# Altium PCB DAC_Sources.PcbDoc (part 2 of 8) (continued)
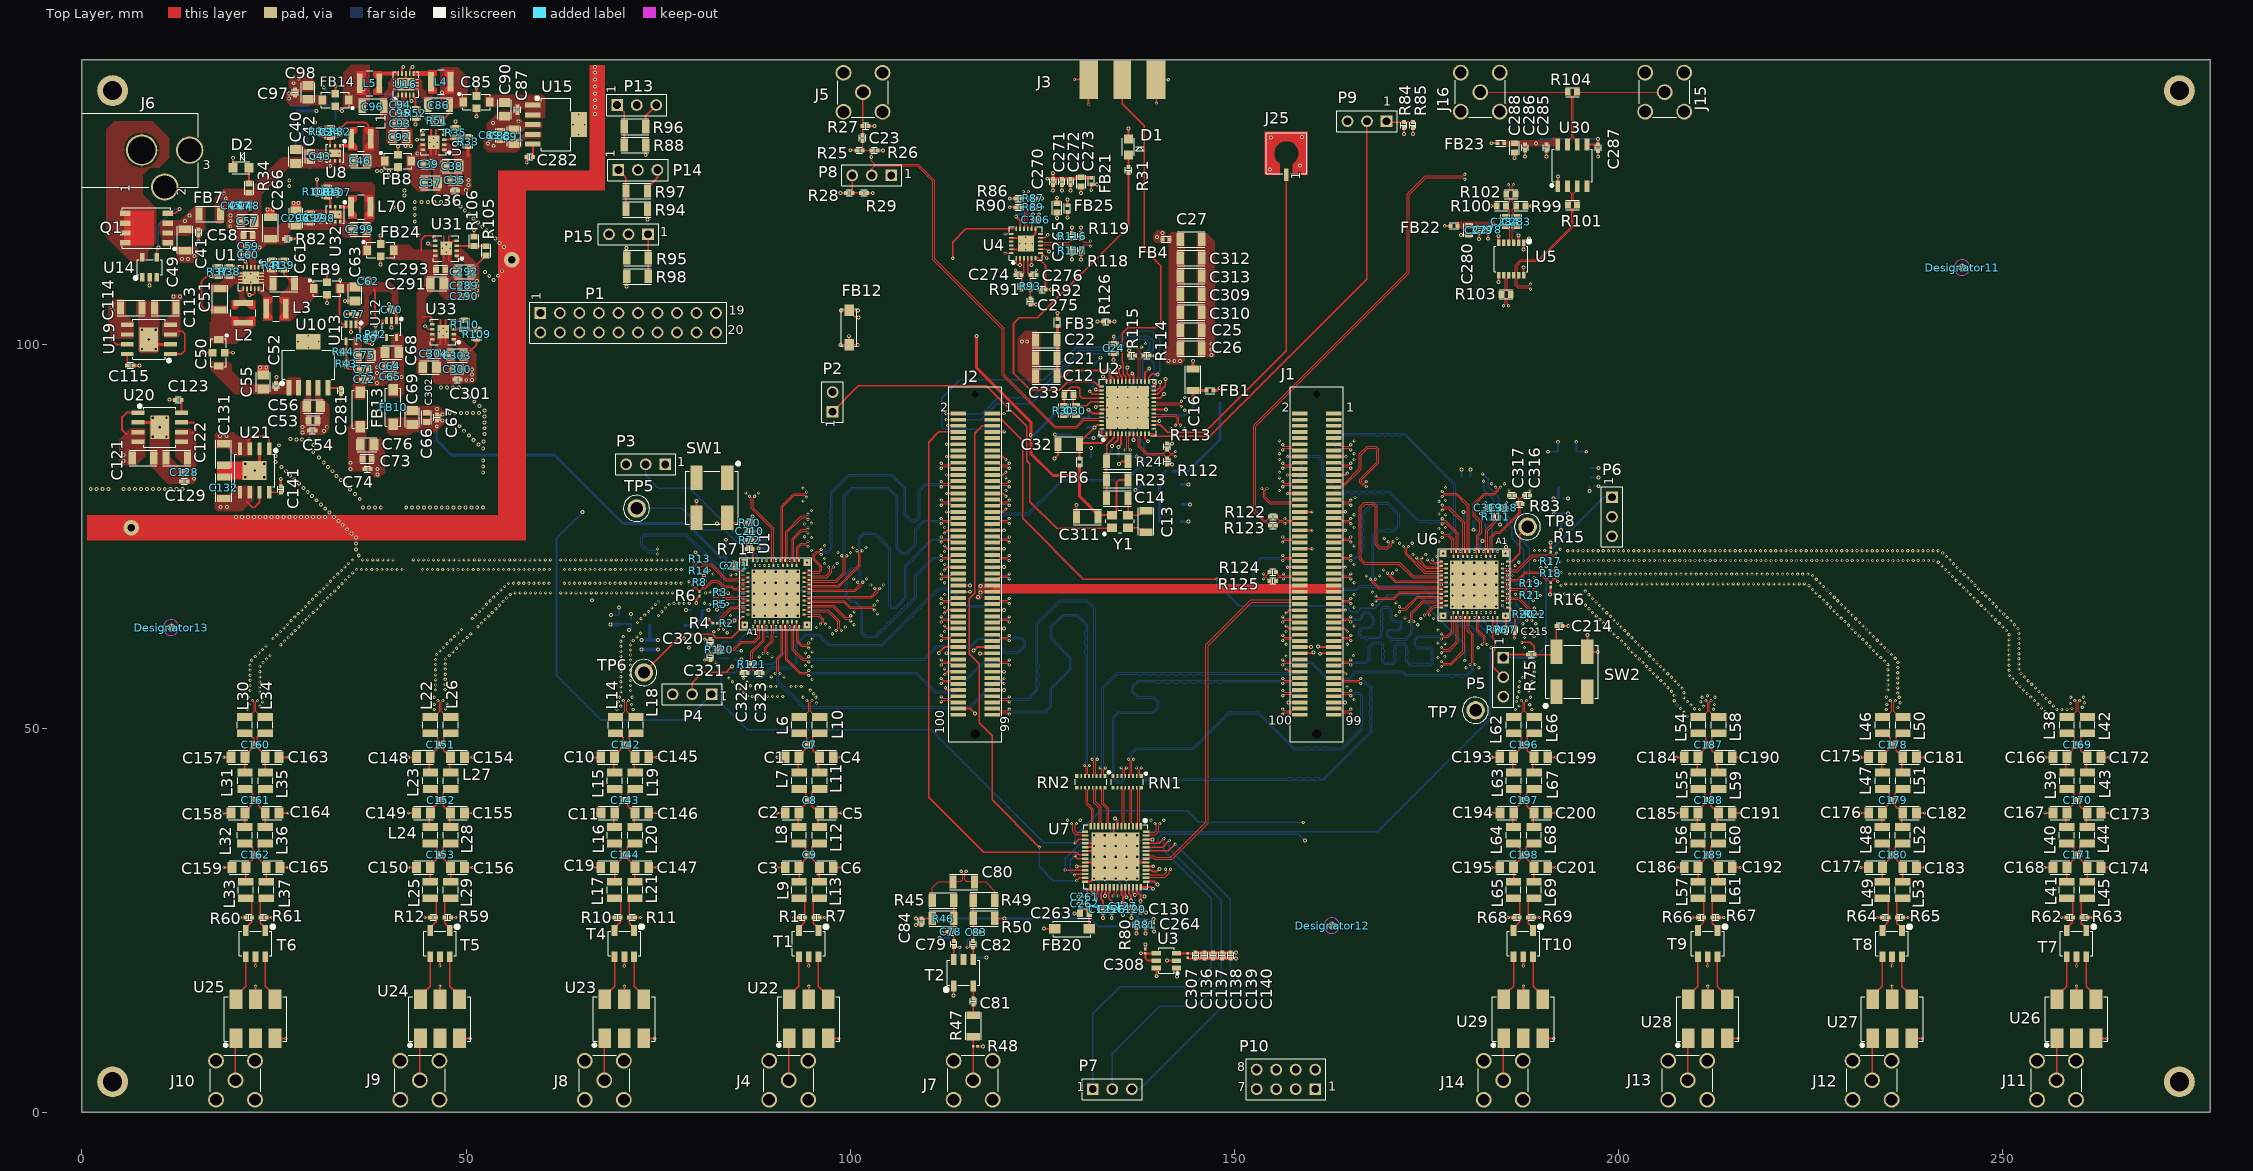
[diagram p0: Top Layer view]
## Part data (continued)
R23 R24: library part 1029c3af85768c4190bb7ad29bc67b5, "10kΩ ±1% 0.5W 1206 High Power Anti-Sulfur Thin Film Chip Resistor", Case Code (Imperial)=1206, Case Code (Metric)=3216, Max Operating Temperature=155°C, Max Power Dissipation=500mW, Min Operating Temperature=-55°C, Resistance=10kR, Resistor Type="Thin Film", Temperature Coefficient=100ppm/°C, Tolerance=1%, Case/Package=1206, Features="Moisture Resistant", Height=0.024inch, Length=0.122inch, Mount="Surface Mount", Number of Terminations=2, Packaging="Tape and Reel", RoHS Compliant=Yes, Series=RNCP, Width=0.059inch
R25 R26 R28 R29 R33 R40 R41 R42 R43 R44 R54 R55 R56 R57 R58 R71 R76 R84 R85 R86 R87 R89 R90 R105 R109 R116 R117 R118 R119: library part RES, Manufacturer=Panasonic
  R25 R28 R84: Part Number=ERJ-2RKF82R5X
  R26 R29 R85 R86 R87 R89 R90 R116 R117 R118 R119: Part Number=ERJ-2RKF1300X
  R33 R105 R109: Part Number=ERJ-3EKF3092V
  R40 R43 R54 R57: Part Number=ERJ-2RKF1743X
  R41 R55: Part Number=ERJ-3EKF1823V
  R42 R44 R56 R58: Part Number=ERJ2RKF3303X
  R71 R76: Part Number=ERJ-2RKF1271X
R27 R91 R93: library part 8db39607336c341a927600551d01821, "RES SMD 49.9 OHM 1% 1/10W 0402", Case Code (Imperial)=0402, Case Code (Metric)=1005, Max Operating Temperature=155°C, Max Power Dissipation=100mW, Min Operating Temperature=-55°C, Package Quantity=1, Resistance=49.9R, Resistance Tolerance=1%, Resistor Type="Thick Film", Temperature Coefficient=100ppm/°C, Voltage Rating=50V, Case/Package=0402, Construction=Rectangular, Contact Plating=Tin, Depth=0.5mm, Features="Automotive AEC-Q200", Height=0.35mm, Lead Free="Lead Free", Length=1mm, Military Standard=Not, Mount="Surface Mount", Number of Terminations=2, Packaging="Tape and Reel", Power Rating=100mW, Radiation Hardening=No, RoHS Compliant=Yes, Series=ERJ, Technology="THICK FILM", Termination=SMD/SMT, Tolerance=1%, Voltage Rating (DC)=50V, Width=0.02inch, Working Voltage=50V
R30: library part 1029c3af85768c4190bb7ad29bc67b5, "RES 1K OHM 1% 1/10W 0603", Case Code (Imperial)=0603, Case Code (Metric)=1608, Max Operating Temperature=155°C, Max Power Dissipation=100mW, Min Operating Temperature=-55°C, Resistance=1kR, Resistance Tolerance=1%, Resistor Type="Thick Film", Temperature Coefficient=100ppm/°C, Voltage Rating=50V, Case/Package=0603, Construction=Rectangular, Contact Plating=Tin, Depth=0.8mm, Features="Moisture Resistant", Height=0.45mm, Lead Free="Lead Free", Length=1.6mm, Military Standard=Not, Number of Terminations=2, Packaging="Tape and Reel", Power Rating=100mW, Radiation Hardening=No, REACH SVHC="No SVHC", RoHS Compliant=Yes, Series=RC, Size Code=0603, Technology="THICK FILM", Termination=SMD/SMT, Tolerance=1%
R32 R107: library part RES, "750K 0.063W 5% 0402 (1005 Metric)  SMD", Case-EIA=0402, Case-Metric=1005, Power="0.063 W", Tolerance="5 %", Technology=SMT
R34 R35 R106 R110: library part RES-2, "Chip Resistor, 10 KOhm, +/- 1%, 0.1 W, -55 to 155 degC, 0603 (1608 Metric), RoHS, Tape and Reel", Case Code (Imperial)=0603, Case Code (Metric)=1608, Manufacturer=Panasonic, Max Operating Temperature=155degC, Max Power Dissipation=100mW, Min Operating Temperature=-55degC, Package Description="2-Pin Surface Mount Device, Body 1.6 x 0.85 mm", Package Quantity=1, Package Reference=603, Resistance=10KOhm, Temperature Coefficient=100ppm\/degreesC, Tolerance=1%, Voltage Rating=75V, Case\/Package=0603, Composition=ThickFilm, Contact Plating=Tin, Datasheet URL=https://industrial.panasonic.com/cdbs/www-data/pdf/RDA0000/AOA0000C304.pdf, Datasheet Version=02/2017, Depth=0.8mm, Height=0.45mm, Lead Free=LeadFree, Length=1.6mm, Manufacturer URL=http://www.panasonic.com/, Military Standard=Not, Mount=SurfaceMount, Mounting Technology=SurfaceMount, Number of Pins=2, Number of Terminations=2, Packaging=TapeandReel, Power Rating=100mW, Radiation Hardening=No, REACH SVHC=NoSVHC, RoHSCompliant=true, Termination=SMD/SMT, Voltage Rating (DC)=75V, Width=0.031inch
R36 R108: library part 1029c3af85768c4190bb7ad29bc67b5, "RES 150K OHM 1% 1/16W 0402", Case Code (Imperial)=0402, Case Code (Metric)=1005, Max Operating Temperature=155°C, Max Power Dissipation=63mW, Min Operating Temperature=-55°C, Package Quantity=1, Resistance=150kR, Resistance Tolerance=1%, Resistor Type="Thick Film", Temperature Coefficient=100ppm/°C, Voltage Rating=50V, Case/Package=0402, Construction=Rectangular, Depth=0.5mm, Features="Moisture Resistant", Height=0.016inch, Lead Free="Lead Free", Length=1mm, Military Standard=Not, Number of Pins=2, Number of Terminations=2, Packaging="Tape and Reel", Power Rating=63mW, REACH SVHC="No SVHC", RoHS Compliant=Yes, Series=RC, Technology="THICK FILM", Termination=SMD/SMT, Tolerance=1%, Voltage Rating (DC)=50V, Width=0.5mm, Working Voltage=50V
R38 R52: library part 1029c3af85768c4190bb7ad29bc67b5, Case Code (Imperial)=0603, Case Code (Metric)=1608, Max Operating Temperature=155°C, Max Power Dissipation=100mW, Min Operating Temperature=-55°C, Resistance=150kΩ, Temperature Coefficient=100ppm/°C, Tolerance=1%, Voltage Rating=50V, Case/Package=0603, Composition="Thick Film", Depth=800µm, Features="Moisture Resistant", Height=450µm, Lead Free="Lead Free", Length=1.6mm, Military Standard=Not, Mount="Surface Mount", NexarPartId=40301068, Number of Pins=2, Number of Terminations=2, Packaging="Tape & Reel", Power Rating=100mW, REACH SVHC="No SVHC", RoHS=Compliant, Schedule B="8533210045, 8533210045", Termination=SMD/SMT, Voltage Rating (AC)=50V, Voltage Rating (DC)=50V, Width=800µm
R45 R47 R49: library part 1029c3af85768c4190bb7ad29bc67b5, "0Ω ±0 0.25W 1206 Thick Film Chip Resistor AEC-Q200 compliant", Case Code (Imperial)=1206, Case Code (Metric)=3216, Current Rating=2A, Max Operating Temperature=155°C, Max Power Dissipation=250mW, Min Operating Temperature=-55°C, Resistance=0R, Resistor Type="Thick Film", Working Voltage=200V, Case/Package=1206, Construction=Rectangular, Contact Plating=Tin, Depth=1.6mm, Features="Automotive AEC-Q200", Height=0.028inch, Lead Free="Lead Free", Length=0.126inch, Military Standard=Not, Mount="Surface Mount", Number of Terminations=2, Packaging="Tape and Reel", Power Rating=250mW, Radiation Hardening=No, RoHS Compliant=Yes, Series=RMCF, Technology="THICK FILM", Width=0.063inch
R46 R50: library part 1029c3af85768c4190bb7ad29bc67b5, "33Ω ±5% 0.25W 1206 Thick Film Chip Resistor AEC-Q200 compliant", Case Code (Imperial)=1206, Case Code (Metric)=3216, Max Operating Temperature=155°C, Max Power Dissipation=250mW, Min Operating Temperature=-55°C, Resistance=33R, Resistor Type="Thick Film", Temperature Coefficient=200ppm/°C, Tolerance=5%, Case/Package=1206, Construction=Rectangular, Contact Plating=Tin, Depth=1.6mm, Features="Automotive AEC-Q200", Height=0.028inch, Length=0.126inch, Military Standard=Not, Mount="Surface Mount", Number of Terminations=2, Packaging="Tape and Reel", Radiation Hardening=No, RoHS Compliant=Yes, Series=RMCF, Width=0.063inch
R70 R73 R75 R78: library part RES-2, "Chip Resistor, 1 KOhm, +/- 1%, 100 mW, -55 to 155 degC, 0402 (1005 Metric), RoHS, Tape and Reel", Case Code (Imperial)=0402, Case Code (Metric)=1005, Manufacturer="Basic Passives", Max Operating Temperature="155 degC", Min Operating Temperature="-55 degC", Package Quantity=10000, Power Rating="100 mW", Resistance="1 KOhm", Tolerance=1%, Voltage Rating="50 V", Case\/Package=0402, ComponentLink1Description="Manufacturer URL", ComponentLink1URL=http://www.panasonic.com/, ComponentLink2Description=Datasheet, ComponentLink2URL=http://industrial.panasonic.com/cdbs/www-data/pdf/RDA0000/AOA0000C86.pdf, DatasheetVersion=04/2015, Height="0.35 mm", Length="1 mm", Mount="Surface Mount", Mounting Technology="Surface Mount", PackageDescription="2-Pin Surface Mount Device, Body 1 x 0.5 mm", PackageReference=0402, Packaging="Tape and Reel", PartNumber=ERJ-2RKF1001X, Pins=2, Radiation Hardening=No, REACH SVHC=Yes, RoHSCompliant=true, Width="0.5 mm"
R74 R79 R82 R92 R122 R123 R124 R125 R126: library part RES-2, "Chip Resistor, 0 Ohm, 0.1 W, -55 to 155 degC, 0402 (1005 Metric), RoHS, Tape and Reel", Case Code (Imperial)=0402, Case Code (Metric)=1005, Manufacturer=Panasonic, Max Operating Temperature=155degC, Max Power Dissipation=100mW, Min Operating Temperature=-55degC, Package Description="2-Pin Surface Mount Device, Body 1 x 0.5 mm", Package Quantity=1, Package Reference=402, Resistance=0mOhm, Temperature Coefficient=600ppm/��C, Tolerance=5%, Voltage Rating=50V, Case/Package=0402, Composition=ThickFilm, Contact Plating=Tin, Datasheet URL=https://industrial.panasonic.com/cdbs/www-data/pdf/RDA0000/AOA0000C301.pdf, Datasheet Version=03/2015, Depth=0.5mm, Height=0.35mm, Lead Free=LeadFree, Length=1mm, Manufacturer URL=http://www.panasonic.com/, Military Standard=Not, Mount=SurfaceMount, Mounting Technology=SurfaceMount, Number of Terminations=2, Packaging=TapeandReel, Power Rating=100mW, Radiation Hardening=No, REACH SVHC=NoSVHC, RoHSCompliant=True, Termination=SMD/SMT, Voltage Rating (DC)=50V, Width=0.02inch
R83 R111 R120 R121: library part CMP-1011-00397-3, "RES Thick Film, 100Ω, 1%, 0.063W, 100ppm/°C, 0402", Case Code (Imperial)=0402, Case Code (Metric)=1005, Max Operating Temperature=155°C, Max Power Dissipation=63mW, Min Operating Temperature=-55°C, Package Quantity=10, Resistance=100R, Temperature Coefficient=100ppm/°C, Tolerance=1%, Voltage Rating=50V, Case/Package=0402, Composition="Thick Film", Contact Plating=Tin, Depth=0.5mm, Features="Automotive AEC-Q200", Height=0.35mm, Lead Free="Lead Free", Length=1mm, Military Standard=Not, Mount="Surface Mount", Number of Terminations=2, Packaging="Tape and Reel", Power Rating=63mW, Radiation Hardening=No, Termination=SMD/SMT, Voltage Rating (DC)=50V, Weight=2.3E-05oz, Width=0.02inch, Working Voltage=50V
R88 R94 R95 R96 R97 R98: library part RES, Manufacturer=Yageo, Part Number=RC1206FR-0760K4L
R101 R102 R103 R104: library part 1029c3af85768c4190bb7ad29bc67b5, "RES Thick Film, 100Ω, 5%, 0.1W, 200ppm/°C, 0603", Case Code (Imperial)=0603, Case Code (Metric)=1608, Max Operating Temperature=155°C, Max Power Dissipation=100mW, Min Operating Temperature=-55°C, Package Quantity=1, Resistance=100R, Temperature Coefficient=200ppm/°C, Tolerance=5%, Voltage Rating=75V, Case/Package=0603, Composition="Thick Film", Contact Plating=Tin, Depth=0.85mm, Features="Automotive AEC-Q200", Height=0.02inch, Length=1.55mm, Military Standard=Not, Number of Terminations=2, Packaging="Tape and Reel", Power Rating=100mW, Radiation Hardening=No, Termination=SMD/SMT, Weight=7.1E-05oz, Width=0.85mm
R112 R113: library part CMP-1011-00415-3, "RES SMD 150 OHM 1% 1/10W 0402", Case Code (Imperial)=0402, Case Code (Metric)=1005, Max Operating Temperature=155°C, Max Power Dissipation=100mW, Min Operating Temperature=-55°C, Package Quantity=1, Resistance=150R, Resistance Tolerance=1%, Resistor Type="Thick Film", Temperature Coefficient=100ppm/°C, Voltage Rating=50V, Case/Package=0402, Construction=Rectangular, Contact Plating=Tin, Depth=0.5mm, Features="Automotive AEC-Q200", Height=0.35mm, Lead Free="Lead Free", Length=1mm, Military Standard=Not, Mount="Surface Mount", Number of Pins=2, Number of Terminations=2, Packaging="Tape and Reel", Power Rating=100mW, Radiation Hardening=No, REACH SVHC="No SVHC", RoHS Compliant=Yes, Series=ERJ, Size Code=0402, Technology="THICK FILM", Termination=SMD/SMT, Tolerance=1%, Voltage Rating (DC)=50V, Width=0.02inch
R114 R115: library part 1029c3af85768c4190bb7ad29bc67b5, "RES SMD 150 OHM 1% 1/10W 0402", Case Code (Imperial)=0402, Case Code (Metric)=1005, Max Operating Temperature=155°C, Max Power Dissipation=100mW, Min Operating Temperature=-55°C, Package Quantity=1, Resistance=150R, Resistance Tolerance=1%, Resistor Type="Thick Film", Temperature Coefficient=100ppm/°C, Voltage Rating=50V, Case/Package=0402, Construction=Rectangular, Contact Plating=Tin, Depth=0.5mm, Features="Automotive AEC-Q200", Height=0.35mm, Lead Free="Lead Free", Length=1mm, Military Standard=Not, Mount="Surface Mount", Number of Pins=2, Number of Terminations=2, Packaging="Tape and Reel", Power Rating=100mW, Radiation Hardening=No, REACH SVHC="No SVHC", RoHS Compliant=Yes, Series=ERJ, Size Code=0402, Technology="THICK FILM", Termination=SMD/SMT, Tolerance=1%, Voltage Rating (DC)=50V, Width=0.02inch
SW1 SW2: library part a6a22157dac91622554311b1edc5dcf, "SWITCH TACTILE SPST-NO 1VA 32V", Contact Resistance=50mΩ, Manufacturer="C&K Components", Operating Force=300gf, Package=0, Temperature="-40°C to +90°C", Temperature Range High=+90°C, Temperature Range Low=-40°C, Voltage Rating Ac=32V, Automotive=No, Category=Switch, ComponentLink2Description=Datasheet, ComponentLink2URL=https://dznh3ojzb2azq.cloudfront.net/products/Tactile/KT/documents/datasheet.pdf, Device Class L1=Electromechanical, Device Class L2=Switches, Device Class L3="Tactile Switches", Digikey Description="SWITCH TACTILE SPST-NO 1VA 32V", Electromechanical Life=100000Cycles, Height=4.1mm, Lead Free=Yes, Manufacturer Part Number=KT11P3JM34LFS, Mount="Surface Mount", Mouser Description="Tactile Switches 1.12Mm Silvr J-Lead", Octopart=https://octopart.com/kt11p3jm34lfs-c%26k+components-55425764, RoHS=TRUE, Standoff Height=0.14mm, Throw Configuration=SPST-NO, Voltage Rating Dc=32V
T1 T2 T3 T4 T5 T6 T7 T8 T9 T10: library part 4f5dfae470883114705f86a4213dd5e, "BALUN 4.5MHZ-3GHZ 1:1 5SMD", Frequency=4.5-3000MHz, Manufacturer=MA-COM, Temperature="-55°C to +85°C", Temperature Range High=+85°C, Temperature Range Low=-55°C, Automotive=No, Bandwidth=2995.5MHz, Category=Trans, ComponentLink2Description=Datasheet, ComponentLink2URL=http://cdn.macom.com/datasheets/ETC1-1-13.pdf, Device Class L1="Passive Components", Device Class L2="EMI / RFI Components", Device Class L3=RF, Digikey Description="BALUN 4.5MHZ-3GHZ 1:1 5SMD", Height=2.95mm, Insertion Loss=3.5dB, Lead Free=Yes, Manufacturer Part Number=ETC1-1-13TR, Mouser Description="RF Transformer 1: 1 5 Terminal SMD", Octopart=https://octopart.com/etc1-1-13tr-ma-com-7863633, Package=ETC1-1-13TR, RoHS=TRUE
TP5 TP6 TP7 TP8: library part TESTPOINT_RED, "Test Point, Red, Through Hole, RoHS, Bulk", Colour=Red, Manufacturer=Keystone, Package Quantity=100, ComponentLink1Description="Manufacturer URL", ComponentLink1URL=http://www.keyelco.com/, ComponentLink2Description=Datasheet, ComponentLink2URL=http://www.keyelco.com/product-pdf.cfm?p=1319, Contact Material=Bronze, Contact Plating=Silver, DatasheetVersion="Rev. F, 12/2013", Height="8.12 mm", Mount="Through Hole", Mounting Technology="Through Hole", PackageDescription="1-Pin Through Hole Device, Dia 3.17 mm", PackageReference=5010, Packaging=Bulk, Pins=1, REACH SVHC="No SVHC", RoHSCompliant=true
U1 U6: library part TI-DAC348XRKD88-6300X6300TP, "4-Channel 16-Bit 1.25 GSPS DAC, -40 to 85 degC, 88-pin QFN (RKD88), Green (RoHS & no Sb/Br)", Manufacturer="Texas Instruments", Power Consumption(Typ)(mW)=1270, ComponentLink1Description="Manufacturer URL", ComponentLink1URL=http://www.ti.com/, ComponentLink2Description=Datasheet, ComponentLink2URL=http://www.ti.com/general/docs/lit/getliterature.tsp?genericPartNumber=DAC3484&fileType=pdf, ComponentLink3Description="Package Specification", ComponentLink3URL=http://www.ti.com/litv/pdf/mpqf242, DAC Channels=4, DatasheetVersion=SLAS749C, Eco-Plan="Green (RoHS & no Sb/Br)", Interface="Parallel LVDS", Mounting Technology="Surface Mount", PackageDescription="88-Pin Plastic Quad Flatpack No-Lead, Body 9 x 9 mm, Pitch 0.6 mm", PackageReference=RKD88-6300X6300TP, PackageVersion="4210251/A, 04/2009", PartNumber=DAC3484IRKDT, Resolution(Bits)=16, Settling Time(us)=0.01, SFDR(dB)=82, SubFamily="High Speed DAC (>10MSPS)"
U2: library part 79e6de338fe35b6fdc3d186d6aa1691, "IC CLK SYNTH/JITTER CLEANR 48QFN", Case/Package=VQFN, Frequency=1.175GHz, Input Current=20mA, Max Frequency=1.5GHz, Max Operating Temperature=85°C, Max Power Dissipation=1.7W, Max Supply Voltage=3.6V, Min Operating Temperature=-40°C, Min Supply Voltage=3V, Operating Supply Voltage=3.3V, Package Quantity=1, Contact Plating=Gold, Height=0.8mm, Input=Crystal, Interface=SPI, Lead Free="Lead Free", Length=6.85mm, Mount="Surface Mount", Nominal Supply Current=20mA, Number of Circuits=1, Number of Outputs=5, Number of Pins=48, Packaging="Tape and Reel", PLL=Yes, Radiation Hardening=No, REACH SVHC="No SVHC", RoHS Compliant=Yes, Series=CDCE62005, Supply Current=20mA, Termination=SMD/SMT, Weight=0.004868oz, Width=6.85mm
U3: library part ADI-ADR130-UJ-6, "Precision Series Sub-Band Gap Voltage Reference, 1 V Output, 2 to 18 V Supply, Industrial, 6-pin SOT23 (UJ-6), Reel", Manufacturer="Analog Devices", Operating Temp Range="-40 to 125 degC", Code_JEDEC=MO-193-AA, ComponentLink1Description="Manufacturer URL", ComponentLink1URL=http://www.analog.com/en/index.html, ComponentLink2Description=Datasheet, ComponentLink2URL=http://www.analog.com/static/imported-files/data_sheets/ADR130.pdf, ComponentLink3Description="Package Specification", ComponentLink3URL=http://www.analog.com/static/imported-files/packages/PKG_PDF/TSOT(UJ)/UJ_6.pdf, ComponentLink4Description="URL Link1", ComponentLink4URL="Product URL:http://www.analog.com/en/special-linear-functions/voltage-references/adr130/products/product.html", DatasheetVersion="Rev. B", Max V Supply (V)=18, Min V Supply (V)=2, Mounting Technology="Surface Mount", PackageDescription="6-Pin Thin Small Outline Transistor Package, Body 2.9 x 1.6 mm, Pitch 0.95 mm", PackageReference=UJ-6, PackageVersion=Dec-04, Packing=Reel, PartNumber=ADR130AUJZ-REEL7, Ref Out TC (ppm/C)=15, Vout="0.5V, 1V"
U4: "1:3 LVPECL clock buffer with programable divider", Package="QFN-24 Texas Instruments", Check_prices=https://www.snapeda.com/parts/CDCP1803RGET/Texas+Instruments/view-part/?ref=eda, MF="Texas Instruments", MP=CDCP1803RGET, SnapEDA_Link=https://www.snapeda.com/parts/CDCP1803RGET/Texas+Instruments/view-part/?ref=snap
U5: library part 599d8c5e20d6343fb63873f0ba23ec7, "IC CLK BUFFER DVR 1:2 12MSOP", Case/Package=MSOP, Max Operating Temperature=125°C, Max Supply Voltage=3.45V, Min Operating Temperature=-40°C, Min Supply Voltage=3.15V, Operating Supply Voltage=3.3V, Mount="Surface Mount", Number of Outputs=2, Number of Pins=12, Propagation Delay=4.4ns, Radiation Hardening=No, RoHS Compliant=Yes
U8 U32: library part e18bba32e79127f802312c6d0d2e879, "IC REG BUCK ADJUSTABLE 1A 6SON", Case/Package=SON, Max Input Voltage=6V, Max Operating Temperature=85°C, Max Output Current=1A, Min Input Voltage=2.3V, Min Operating Temperature=-40°C, Min Output Voltage=600mV, Package Quantity=1, Quiescent Current=15uA, Switching Frequency=2.25MHz, Lead Free="Lead Free", Max Output Voltage=6V, Mount="Surface Mount", Number of Outputs=1, Number of Pins=6, Operating Supply Voltage=6V, Output Current=1A, Output Type=Adjustable, Output Voltage=6V, Packaging="Tape and Reel", Radiation Hardening=No, REACH SVHC="No SVHC", RoHS Compliant=Yes, Series=-, Synchronous Rectifier=Yes, Weight=0.000342oz
U9 U31 U33: library part TI-TPS7A8X01DRB8-1750X1500TP, "Single Output LDO, 1 A, Adjustable 0.8 to 6 V Output, 2.2 to 6.5 V Input, with High-Bandwidth PSRR, 8-pin SON (DRB), -40 to 125 degC, Green (RoHS & no Sb/Br)", Manufacturer="Texas Instruments", Accuracy(%)=3, ComponentLink1Description="Manufacturer URL", ComponentLink1URL=http://www.ti.com/, ComponentLink2Description=Datasheet, ComponentLink2URL=http://www.ti.com/general/docs/lit/getliterature.tsp?genericPartNumber=TPS7A8001&fileType=pdf, ComponentLink3Description="Package Specification", ComponentLink3URL=http://www.ti.com/litv/pdf/mpds118h, DatasheetVersion=SBVS135G, Eco-Plan="Green (RoHS & no Sb/Br)", Iout(Max)(A)=1, Iq(Typ)(mA)=0.04, Mounting Technology="Surface Mount", PackageDescription="8-Pin Plastic Small Outline, Body 3 x 3 mm, Pitch 0.65 mm", PackageReference=DRB0008A, PackageVersion=4203482-2/K, PartNumber=TPS7A8001DRBR, SubFamily="Single Channel LDO", Vdo(Typ)(mV)=170, Vin(Max)(V)=6.5, Vin(Min)(V)=2.2, Vout Adj(Max)(V)=6, Vout Adj(Min)(V)=0.8
U10 U15: library part TI-TPS7XXXXXXXX, "Single Output High PSRR LDO, 1 A, Fixed 3.3 V Output, 2.7 to 5.5 V Input, 6-pin SOT-223 (DCQ), -40 to 125 degC, Green (RoHS & no Sb/Br)", Manufacturer="Texas Instruments", PartNumber=TPS79633DCQ, Accuracy(%)=2, ComponentLink1Description="Manufacturer URL", ComponentLink1URL=http://www.ti.com/, ComponentLink2Description=Datasheet, ComponentLink2URL=http://www.ti.com/general/docs/lit/getliterature.tsp?genericPartNumber=TPS79633&fileType=pdf, ComponentLink3Description="Package Specification", ComponentLink3URL=http://www.ti.com/litv/pdf/mpds098c, DatasheetVersion=SLVS351N, Eco-Plan="Green (RoHS & no Sb/Br)", Fixed Output Options(V)=3.3, Iout(Max)(A)=1, Iq(Typ)(mA)=0.26, Mounting Technology="Surface Mount", PackageDescription="6-Pin Plastic Small Outline, Body 3.5 x 6.5 mm, Pitch 1.27 mm", PackageReference=DCQ0006A, PackageVersion=4202109/D, SubFamily="Single Channel LDO", Vdo(Typ)(mV)=220, Vin(Max)(V)=5.5, Vin(Min)(V)=2.7, Vout Adj(Max)(V)=3.3, Vout Adj(Min)(V)=3.3
U11 U16: library part TI-TPS62420DRC10-2400X1650TP, "Buck Adjustable Regulator with 2.5 to 6 V Input and 0.6 to 6 V Output, -40 to 85 degC, 10-Pin SON (DRC), Green (RoHS & no Sb/Br)", Dynamic Voltage Scaling=TRUE, Manufacturer="Texas Instruments", Rating=Catalog, Switch Current Limit(Typ)(A)=1, ComponentLink1Description=Datasheet, ComponentLink1URL=http://www.ti.com/general/docs/lit/getliterature.tsp?genericPartNumber=TPS62420&fileType=pdf, ComponentLink2Description="Package Specification", ComponentLink2URL=http://www.ti.com/litv/pdf/mpds117k, ComponentLink3Description="URL Link1", ComponentLink3URL="Samples URL:http://www.ti.com/product/tps62420#samples", DatasheetVersion=SLVS676C, Duty Cycle(Max)(%)=100, Eco-Plan="Green (RoHS & no Sb/Br)", Iout2(Max)(A)=1, Iout(Max)(A)=0.6, Iq(Typ)(mA)=0.032, Mounting Technology="Surface Mount", PackageDescription="10-Pin Plastic Small Outline No-Lead, 3 x 3 x 1 mm Body, 0.5 mm Pitch, Exposed Pad", PackageReference=DRC0010J, PackageVersion="revL, Sep-2011", PartNumber=TPS62420DRCR, Regulated Outputs(#)=2, SubFamily="Step-Down Regulator", Synchronous Rectification=TRUE, Topology=Buck, Vin(Max)(V)=6, Vin(Min)(V)=2.5, Vout2(Max)(V)=6, Vout2(Min)(V)=0.6, Vout(Max)(V)=6, Vout(Min)(V)=0.6
U12 U13 U17 U18: library part TI-TPS7XX01-5, "Single Output LDO, 150 mA, Adjustable 0.9 to 6.2 V Output, 2.5 to 6.5 V Input, with High-Bandwidth PSRR, 5-pin SC70 (DCK), -40 to 125 degC, Green (RoHS & no Sb/Br)", Manufacturer="Texas Instruments", Accuracy(%)=3, Code_JEDEC=MO-203, ComponentLink1Description="Manufacturer URL", ComponentLink1URL=http://www.ti.com/, ComponentLink2Description=Datasheet, ComponentLink2URL=http://www.ti.com/general/docs/lit/getliterature.tsp?genericPartNumber=TPS71701&fileType=pdf, ComponentLink3Description="Package Specification", ComponentLink3URL=http://www.ti.com/litv/pdf/mpds025f, DatasheetVersion=SBVS068G, Eco-Plan="Green (RoHS & no Sb/Br)", Iout(Max)(A)=0.15, Iq(Typ)(mA)=0.05, Mounting Technology="Surface Mount", PackageDescription="5-Pin Plastic Small-Outline, Body 2 x 1.25 mm, Pitch 0.65 mm", PackageReference=DCK0005A, PackageVersion=4093553-3/G, PartNumber=TPS71701DCKR, SubFamily="Single Channel LDO", Vdo(Typ)(mV)=170, Vin(Max)(V)=6.5, Vin(Min)(V)=2.5, Vout Adj(Max)(V)=6.2, Vout Adj(Min)(V)=0.9
U14: "5.5-V over voltage protection controller with 100-V input transient protection 5-SOT-23 -40 to 85", Package="SOT-23-5 Texas Instruments", Availability=Good, BuyPart=https://www.snapeda.com/parts/TPS2400DBVT/Texas%20Instruments/view-part/425327/?ref=eda, DigiKey-Purchase-URL=https://snapeda.com/shop?store=DigiKey&id=425327, MF="Texas Instruments", Mouser-Purchase-URL=https://snapeda.com/shop?store=Mouser&id=425327, MP=TPS2400DBVT, Price=None, SnapEDA_Link=https://www.snapeda.com/parts/TPS2400DBVT/Texas%20Instruments/view-part/425327/?ref=snap, Texas_Instruments-Purchase-URL=https://snapeda.com/shop?store=Texas+Instruments&id=425327
U19: library part ADI-ADP1706-RD-8-2, "1 A, Low Dropout, CMOS Linear Regulator, 2.5 to 5.5 V Vin, 3.3 V Vout, Industrial, 8-pin SOIC (RD-8-2), Reel", Manufacturer="Analog Devices", Code_JEDEC=MS-012-AA, ComponentLink1Description="Manufacturer URL", ComponentLink1URL=http://www.analog.com/en/index.html, ComponentLink2Description=Datasheet, ComponentLink2URL=http://www.analog.com/static/imported-files/data_sheets/ADP1706_1707_1708.pdf, ComponentLink3Description="Package Specification", ComponentLink3URL=http://www.analog.com/static/imported-files/packages/62062404671038RD_8_2.pdf, ComponentLink4Description="URL Link1", ComponentLink4URL="Product URL:http://www.analog.com/en/ADP1706/productSearch.html", DatasheetVersion="Rev. 0", Mounting Technology="Surface Mount", PackageDescription="8-Pin Standard Small Outline Package, Body 4.9 x 3.9 mm, Pitch 1.27 mm", PackageReference=RD-8-2, PackageVersion=Jan-05, Packing=Reel, PartNumber=ADP1706ARDZ-3.3-R7
U20 U21: library part ADI-ADP1706-RD-8-2, "1 A, Low Dropout, CMOS Linear Regulator, 2.5 to 5.5 V Vin, 1.8 V Vout, Industrial, 8-pin SOIC (RD-8-2), Reel", Manufacturer="Analog Devices", Code_JEDEC=MS-012-AA, ComponentLink1Description="Manufacturer URL", ComponentLink1URL=http://www.analog.com/en/index.html, ComponentLink2Description=Datasheet, ComponentLink2URL=http://www.analog.com/static/imported-files/data_sheets/ADP1706_1707_1708.pdf, ComponentLink3Description="Package Specification", ComponentLink3URL=http://www.analog.com/static/imported-files/packages/62062404671038RD_8_2.pdf, ComponentLink4Description="URL Link1", ComponentLink4URL="Product URL:http://www.analog.com/en/ADP1706/productSearch.html", DatasheetVersion="Rev. 0", Mounting Technology="Surface Mount", PackageDescription="8-Pin Standard Small Outline Package, Body 4.9 x 3.9 mm, Pitch 1.27 mm", PackageReference=RD-8-2, PackageVersion=Jan-05, Packing=Reel, PartNumber=ADP1706ARDZ-1.8-R7
U30: library part 30cb43c013c66b9f7606d7aff426576, "IC REDRIVER LVDS 1CH 8SOIC", Case/Package=SOIC, Max Input Current=10uA, Max Input Voltage=100mV, Max Operating Temperature=85°C, Max Output Voltage=450mV, Max Power Dissipation=726mW, Max Supply Current=70mA, Max Supply Voltage=3.6V, Min Input Voltage=-100mV, Min Operating Temperature=-40°C, Min Supply Voltage=3V, Operating Supply Voltage=3.3V, Package Quantity=2500, Power Consumption=155W, Contact Plating=Tin, Data Rate=800Mbps, Height=1.45mm, Lead Free="Lead Free", Length=4.9mm, Logic Function=Buffer, Mount="Surface Mount", Number of Channels=1, Number of Drivers=1, Number of Elements=1, Number of Pins=8, Number of Receivers=1, Operating Supply Current=70mA, Packaging="Tape and Reel", Power Dissipation=726mW, Propagation Delay=2ns, Radiation Hardening=No, RoHS Compliant=Yes, Series=DS90LV001, Turn-On Delay Time=2ns, Weight=0.005044oz, Width=3.9mm
Y1: library part 61a724e6190563596ac712fef61ad37, "XTAL Oscillator 10MHz ±50ppm CMOS 3.3V 4-SMD 3.2mm x 2.5mm", Case/Package=SMD/SMT, Frequency=10MHz, Frequency Stability=50ppm, Load Capacitance=15pF, Max Operating Temperature=85°C, Max Supply Current=7mA, Max Supply Voltage=3.465V, Min Operating Temperature=-40°C, Min Supply Voltage=3.135V, Operating Frequency="10 MHz", Operating Supply Voltage=3.3V, Package Quantity=1000, Depth=2.5mm, Height=0.047inch, Lead Free="Lead Free", Length=3.2mm, Mount="Surface Mount", Number of Pins=4, Packaging="Tape and Reel", Radiation Hardening=No, REACH SVHC="No SVHC", Series=ASE, Termination=SMD/SMT, Width=0.098inch

## Free pads (board coordinates)
  round 4 hole 2.5 mask+0.051: MH(4,4) MH(4,133) MH(273,4) MH(273,133)

## Via types
v1: diameter 0.406, hole 0.203, Top Layer to Bottom Layer, tented both sides, 1493 vias
v2: diameter 0.508, hole 0.254, Top Layer to Bottom Layer, tented both sides, 563 vias
v3: diameter 0.254, hole 0.152, Top Layer to Bottom Layer, tented both sides, 60 vias
v4: diameter 0.6, hole 0.3, Top Layer to Bottom Layer, tented top, 58 vias
v5: diameter 0.61, hole 0.305, Top Layer to Bottom Layer, tented top, 25 vias
v6: diameter 0.61, hole 0.305, Top Layer to Bottom Layer, tented both sides, 15 vias
v7: diameter 2, hole 1, Top Layer to Bottom Layer, tented both sides, 2 vias

## Nets (pads, with @x,y where several pads share a name; then routed paths per layer and width w, separated by ;. In a path a pad name is that pad's centre, name@x,y a point inside that pad or via, vN(x,y) a via of type N, cw(c..) or ccw(c..) an arc to the next point about the centre after c; other vN are vias at no path point)
1.2VCLK_DAC1: C73.2 C74.1 C76.2 C236.1 C237.1 C238.1 FB13.2 U1.A4 | length 74.8
  SIG_06 w0.254: v2(71.2,62.8) 71.266,62.8 71.476,63.01 75.96,63.01 77.93,61.04 81.38,61.04 81.91,61.57 87.482,61.57 v3(89.13,63.218)
  PWR_05 w0.508: v2(34.97,83.77) 34.97,84.58 36,85.61 53.72,85.61 61.69,77.64 61.69,66.71 64.89,63.51 v2(68.81,63.51)
  Bottom Layer w0.254: C238.1@69.89,63.51 69.95,63.57 C237.1@71.46,63.57 71.46,63.06 v2(71.2,62.8) ; v3(89.13,63.218) 89.13,62.54 C236.1@89.25,62.42
  Bottom Layer w0.508: v2(68.81,63.51) C238.1@69.89,63.51
  other v2: 34.95,84.56
1.2VCLK_DAC2: C108.2 C109.1 C111.2 C257.1 C258.1 C259.1 FB16.2 U6.A4 | length 195.1
  SIG_06 w0.381: v2(41.99,119.33) 38.64,119.33 36.92,121.05 36.92,123.42 37.43,123.93 44.5,123.93 44.85,124.28 65.21,124.28 71.93,117.56 113.22,117.56 119.11,123.45 151.56,123.45 181.5,93.51 181.5,87.33 180.168,85.998 180.168,83.433 181.11,82.492 v2(181.11,75.84) 181.11,74.32 v3(182.43,73)
  Bottom Layer w0.152: v3(182.43,73) 182.61,73.18 C258.1@182.61,73.53
  Bottom Layer w0.254: C259.1@181.11,76.96 v2(181.11,75.84) 181.29,75.66 C257.1@181.69,75.66
  other v2: 41.989,120.007
1.2VDAC1: C66.2 C67.1 C69.2 C232.1 C233.1 C234.1 C235.1 FB10.2 U1.A35 U1.A39 U1.A43 | length 49.9
  Bottom Layer w0.191: C234.1@85.74,70.25 85.74,70.208 v3(86.03,69.918)
  Bottom Layer w0.254: C235.1@83.84,72.3 v2(83.84,71.13) v2@83.85,71.12 ; C233.1@85.3,67.23 85.588,67.518 v3(86.03,67.518) ; C232.1@85.41,65.09 85.438,65.118 v3(86.03,65.118)
  Bottom Layer w0.381: v2(46.93,90.03) v2(46.19,89.29) 46.19,87.52 48.13,85.58 61.52,85.58 70.43,76.67 78.73,76.67 83.1,72.3 C235.1@83.84,72.3
1.2VDAC2: C101.2 C102.1 C104.2 C253.1 C254.1 C255.1 C256.1 FB15.2 U6.A35 U6.A39 U6.A43 | length 2.9
  Bottom Layer w0.254: v3(185.53,66.3) 186.02,66.3 C255.1@186.1,66.38 ; v3(185.53,68.7) C254.1@185.96,68.7 ; v2(192.5,75.82) C256.1@192.5,76.75 v2(193.43,76.75)
  other v2: 39.97,121.91 39.97,122.55
  other v3: 185.53,71.1
1.2VDIGI_DAC1: C62.1 C63.2 C70.1 C77.1 C227.1 C228.1 C229.1 C230.1 C231.1 FB9.3 U1.A6 U1.A9 U1.A25 U1.A28 U1.B4 U12.1 U12.3 U13.1 U13.3 | length 95.3
  Top Layer w0.254: FB9.3@33.635,107.24 33.51,107.115 33.51,103.01 33.95,102.57 U13.3@34.39,102.57 ; 38.02,107.12 38.13,107.01 38.13,103.74 38.8,103.07 U12.3@39.65,103.07 ; C70.1@40.76,104.46 40.76,103.99 40.95,103.8 U12.1@40.95,103.07
  Top Layer w0.381: v2(33.63,108.32) 33.63,107.245 FB9.3@33.635,107.24
  SIG_06 w0.381: v2(33.63,108.32) 34.8,109.49 43.11,109.49 47.15,105.45 47.15,105.44 55.63,96.96 55.63,85.54 65.69,75.48 85.98,75.48 v2(88.05,73.41)
  Bottom Layer w0.254: C231.1@89.175,73.31 89.423,73.062 89.423,72.987 90.33,72.08 v3(90.33,71.818) 90.178,71.818 C227.1@89.95,71.59 ; C229.1@90.33,62.42 v3(90.33,63.218) ; v3(92.13,63.218) 92.192,63.28 C230.1@92.82,63.28 ; v3(92.13,71.818) 92.4,71.548 C228.1@92.4,71.38
  Bottom Layer w0.381: v2(88.05,73.41) 89,73.41 C231.1@89.1,73.31
  other v3: 89.43,63.868
1.2VDIGI_DAC2: C97.1 C98.2 C105.1 C112.1 C248.1 C249.1 C250.1 C251.1 C252.1 FB14.3 U6.A6 U6.A9 U6.A25 U6.A28 U6.B4 U17.1 U17.3 U18.1 U18.3 | length 190.3
  SIG_06 w0.381: v2(26.991,131.963) 35.387,131.963 37.27,130.08 45.95,130.08 50.85,125.18 66.08,125.18 67.491,123.769 102.977,123.769 103.658,124.45 151.71,124.45 182.34,93.82 182.34,85.27 v2(180.74,83.67)
  Bottom Layer w0.254: 27.11,131.08 27.18,131.01 U17.3@29.41,131.01 ; 27.78,126.85 27.82,126.81 27.82,126.05 28,125.87 29.16,125.87 29.36,126.07 U18.3@29.36,126.92 ; C248.1@179.11,64.89 179.11,64.72 v3(179.43,64.4) ; C252.1@180.74,82.74 v2(180.74,83.67) ; v3(181.23,64.4) 181.35,64.4 C249.1@181.65,64.7
  other v2: 26.99,132.64
  other v3: 182.13,72.35 179.43,73 181.23,73